# KiCad board panel.opm-inline.kicad_pcb (continued)
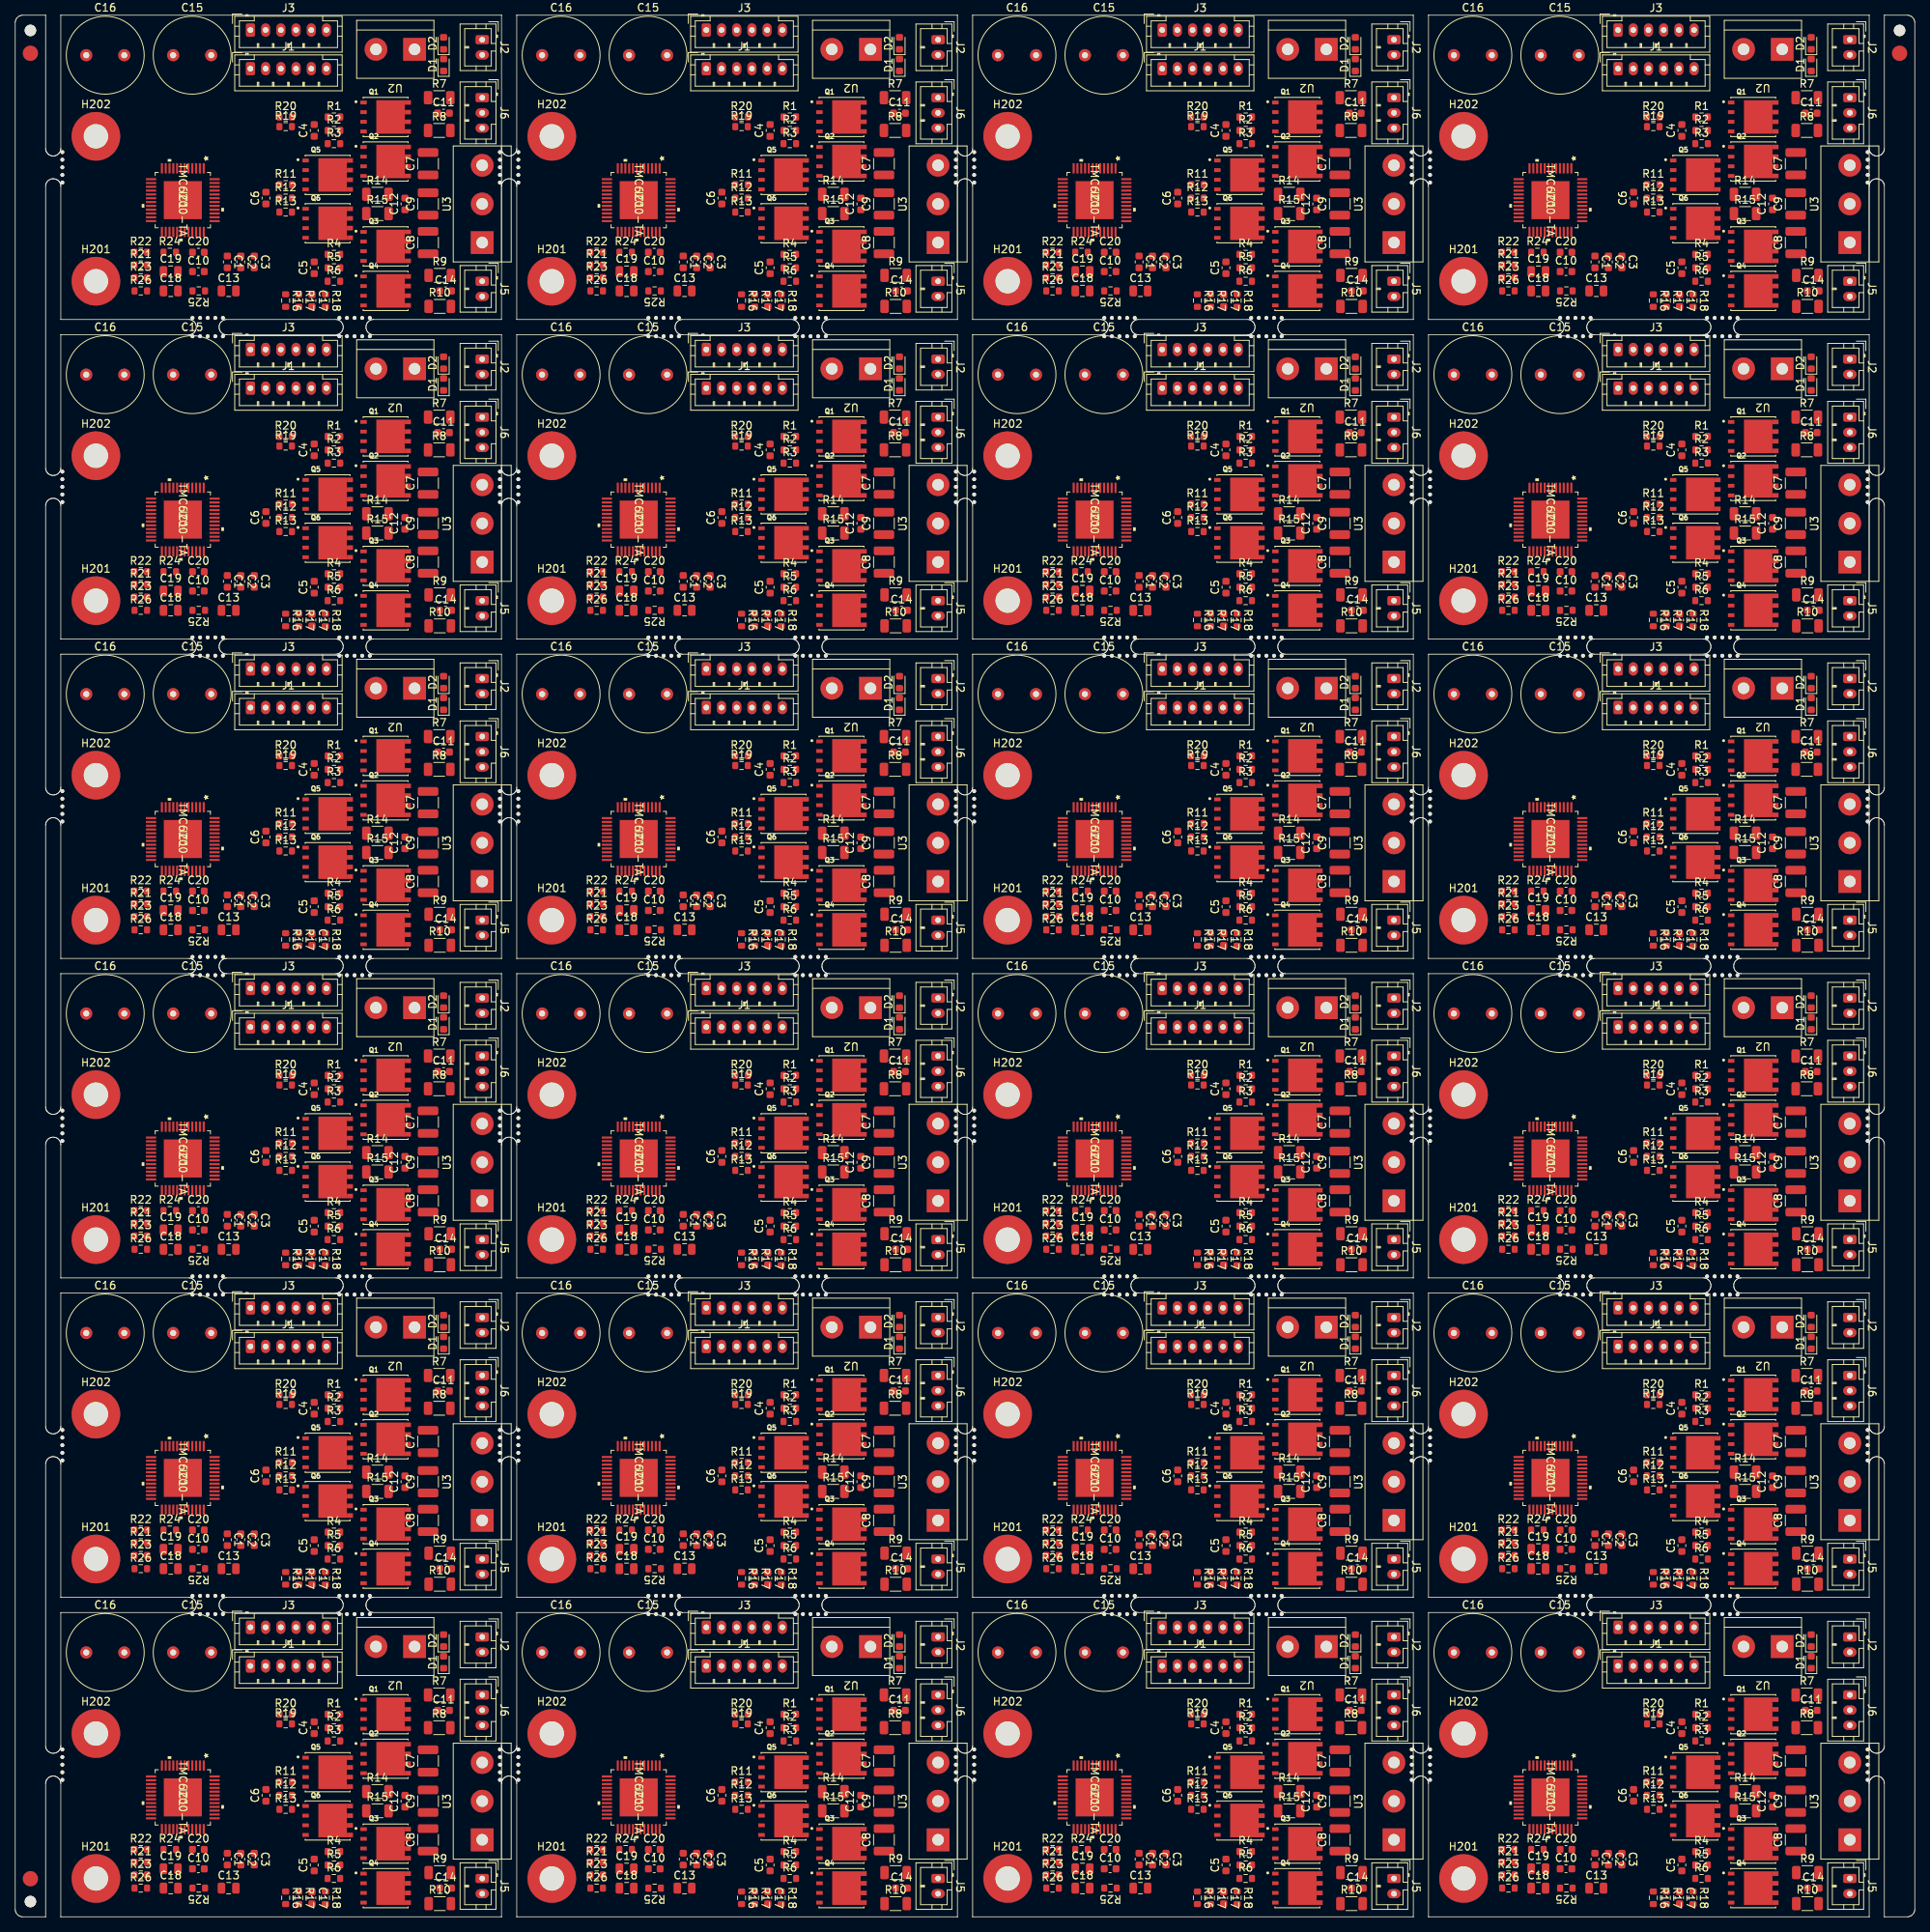
[diagram p0: board, top side]
## Placement (name value [footprint] x y rotation side) (continued)
Q3#18  HYG025N06LS1C2  [PDFN-8]  108.66 51.61 0 top
Q3#19  HYG025N06LS1C2  [PDFN-8]  168.61 51.61 0 top
Q3#20  HYG025N06LS1C2  [PDFN-8]  228.56 51.61 0 top
Q3#21  HYG025N06LS1C2  [PDFN-8]  48.71 9.62 0 top
Q3#22  HYG025N06LS1C2  [PDFN-8]  108.66 9.62 0 top
Q3#23  HYG025N06LS1C2  [PDFN-8]  168.61 9.62 0 top
Q3#24  HYG025N06LS1C2  [PDFN-8]  228.56 9.62 0 top
Q4  HYG025N06LS1C2  [PDFN-8]  48.71 213.72 0 top
Q4#2  HYG025N06LS1C2  [PDFN-8]  108.66 213.72 0 top
Q4#3  HYG025N06LS1C2  [PDFN-8]  168.61 213.72 0 top
Q4#4  HYG025N06LS1C2  [PDFN-8]  228.56 213.72 0 top
Q4#5  HYG025N06LS1C2  [PDFN-8]  48.71 171.73 0 top
Q4#6  HYG025N06LS1C2  [PDFN-8]  108.66 171.73 0 top
Q4#7  HYG025N06LS1C2  [PDFN-8]  168.61 171.73 0 top
Q4#8  HYG025N06LS1C2  [PDFN-8]  228.56 171.73 0 top
Q4#9  HYG025N06LS1C2  [PDFN-8]  48.71 129.74 0 top
Q4#10  HYG025N06LS1C2  [PDFN-8]  108.66 129.74 0 top
Q4#11  HYG025N06LS1C2  [PDFN-8]  168.61 129.74 0 top
Q4#12  HYG025N06LS1C2  [PDFN-8]  228.56 129.74 0 top
Q4#13  HYG025N06LS1C2  [PDFN-8]  48.71 87.75 0 top
Q4#14  HYG025N06LS1C2  [PDFN-8]  108.66 87.75 0 top
Q4#15  HYG025N06LS1C2  [PDFN-8]  168.61 87.75 0 top
Q4#16  HYG025N06LS1C2  [PDFN-8]  228.56 87.75 0 top
Q4#17  HYG025N06LS1C2  [PDFN-8]  48.71 45.76 0 top
Q4#18  HYG025N06LS1C2  [PDFN-8]  108.66 45.76 0 top
Q4#19  HYG025N06LS1C2  [PDFN-8]  168.61 45.76 0 top
Q4#20  HYG025N06LS1C2  [PDFN-8]  228.56 45.76 0 top
Q4#21  HYG025N06LS1C2  [PDFN-8]  48.71 3.77 0 top
Q4#22  HYG025N06LS1C2  [PDFN-8]  108.66 3.77 0 top
Q4#23  HYG025N06LS1C2  [PDFN-8]  168.61 3.77 0 top
Q4#24  HYG025N06LS1C2  [PDFN-8]  228.56 3.77 0 top
Q5  HYG025N06LS1C2  [PDFN-8]  41.09 228.96 0 top
Q5#2  HYG025N06LS1C2  [PDFN-8]  101.04 228.96 0 top
Q5#3  HYG025N06LS1C2  [PDFN-8]  160.99 228.96 0 top
Q5#4  HYG025N06LS1C2  [PDFN-8]  220.94 228.96 0 top
Q5#5  HYG025N06LS1C2  [PDFN-8]  41.09 186.97 0 top
Q5#6  HYG025N06LS1C2  [PDFN-8]  101.04 186.97 0 top
Q5#7  HYG025N06LS1C2  [PDFN-8]  160.99 186.97 0 top
Q5#8  HYG025N06LS1C2  [PDFN-8]  220.94 186.97 0 top
Q5#9  HYG025N06LS1C2  [PDFN-8]  41.09 144.98 0 top
Q5#10  HYG025N06LS1C2  [PDFN-8]  101.04 144.98 0 top
Q5#11  HYG025N06LS1C2  [PDFN-8]  160.99 144.98 0 top
Q5#12  HYG025N06LS1C2  [PDFN-8]  220.94 144.98 0 top
Q5#13  HYG025N06LS1C2  [PDFN-8]  41.09 102.99 0 top
Q5#14  HYG025N06LS1C2  [PDFN-8]  101.04 102.99 0 top
Q5#15  HYG025N06LS1C2  [PDFN-8]  160.99 102.99 0 top
Q5#16  HYG025N06LS1C2  [PDFN-8]  220.94 102.99 0 top
Q5#17  HYG025N06LS1C2  [PDFN-8]  41.09 61 0 top
Q5#18  HYG025N06LS1C2  [PDFN-8]  101.04 61 0 top
Q5#19  HYG025N06LS1C2  [PDFN-8]  160.99 61 0 top
Q5#20  HYG025N06LS1C2  [PDFN-8]  220.94 61 0 top
Q5#21  HYG025N06LS1C2  [PDFN-8]  41.09 19.01 0 top
Q5#22  HYG025N06LS1C2  [PDFN-8]  101.04 19.01 0 top
Q5#23  HYG025N06LS1C2  [PDFN-8]  160.99 19.01 0 top
Q5#24  HYG025N06LS1C2  [PDFN-8]  220.94 19.01 0 top
Q6  HYG025N06LS1C2  [PDFN-8]  41.09 222.61 0 top
Q6#2  HYG025N06LS1C2  [PDFN-8]  101.04 222.61 0 top
Q6#3  HYG025N06LS1C2  [PDFN-8]  160.99 222.61 0 top
Q6#4  HYG025N06LS1C2  [PDFN-8]  220.94 222.61 0 top
Q6#5  HYG025N06LS1C2  [PDFN-8]  41.09 180.62 0 top
Q6#6  HYG025N06LS1C2  [PDFN-8]  101.04 180.62 0 top
Q6#7  HYG025N06LS1C2  [PDFN-8]  160.99 180.62 0 top
Q6#8  HYG025N06LS1C2  [PDFN-8]  220.94 180.62 0 top
Q6#9  HYG025N06LS1C2  [PDFN-8]  41.09 138.63 0 top
Q6#10  HYG025N06LS1C2  [PDFN-8]  101.04 138.63 0 top
Q6#11  HYG025N06LS1C2  [PDFN-8]  160.99 138.63 0 top
Q6#12  HYG025N06LS1C2  [PDFN-8]  220.94 138.63 0 top
Q6#13  HYG025N06LS1C2  [PDFN-8]  41.09 96.64 0 top
Q6#14  HYG025N06LS1C2  [PDFN-8]  101.04 96.64 0 top
Q6#15  HYG025N06LS1C2  [PDFN-8]  160.99 96.64 0 top
Q6#16  HYG025N06LS1C2  [PDFN-8]  220.94 96.64 0 top
Q6#17  HYG025N06LS1C2  [PDFN-8]  41.09 54.65 0 top
Q6#18  HYG025N06LS1C2  [PDFN-8]  101.04 54.65 0 top
Q6#19  HYG025N06LS1C2  [PDFN-8]  160.99 54.65 0 top
Q6#20  HYG025N06LS1C2  [PDFN-8]  220.94 54.65 0 top
Q6#21  HYG025N06LS1C2  [PDFN-8]  41.09 12.66 0 top
Q6#22  HYG025N06LS1C2  [PDFN-8]  101.04 12.66 0 top
Q6#23  HYG025N06LS1C2  [PDFN-8]  160.99 12.66 0 top
Q6#24  HYG025N06LS1C2  [PDFN-8]  220.94 12.66 0 top
R1  22R/1%  [R_0603_1608Metric]  41.92 236.58 0 top
R1#2  22R/1%  [R_0603_1608Metric]  101.87 236.58 0 top
R1#3  22R/1%  [R_0603_1608Metric]  161.82 236.58 0 top
R1#4  22R/1%  [R_0603_1608Metric]  221.77 236.58 0 top
R1#5  22R/1%  [R_0603_1608Metric]  41.92 194.59 0 top
R1#6  22R/1%  [R_0603_1608Metric]  101.87 194.59 0 top
R1#7  22R/1%  [R_0603_1608Metric]  161.82 194.59 0 top
R1#8  22R/1%  [R_0603_1608Metric]  221.77 194.59 0 top
R1#9  22R/1%  [R_0603_1608Metric]  41.92 152.6 0 top
R1#10  22R/1%  [R_0603_1608Metric]  101.87 152.6 0 top
R1#11  22R/1%  [R_0603_1608Metric]  161.82 152.6 0 top
R1#12  22R/1%  [R_0603_1608Metric]  221.77 152.6 0 top
R1#13  22R/1%  [R_0603_1608Metric]  41.92 110.61 0 top
R1#14  22R/1%  [R_0603_1608Metric]  101.87 110.61 0 top
R1#15  22R/1%  [R_0603_1608Metric]  161.82 110.61 0 top
R1#16  22R/1%  [R_0603_1608Metric]  221.77 110.61 0 top
R1#17  22R/1%  [R_0603_1608Metric]  41.92 68.62 0 top
R1#18  22R/1%  [R_0603_1608Metric]  101.87 68.62 0 top
R1#19  22R/1%  [R_0603_1608Metric]  161.82 68.62 0 top
R1#20  22R/1%  [R_0603_1608Metric]  221.77 68.62 0 top
R1#21  22R/1%  [R_0603_1608Metric]  41.92 26.63 0 top
R1#22  22R/1%  [R_0603_1608Metric]  101.87 26.63 0 top
R1#23  22R/1%  [R_0603_1608Metric]  161.82 26.63 0 top
R1#24  22R/1%  [R_0603_1608Metric]  221.77 26.63 0 top
R2  10R/1%  [R_0603_1608Metric]  41.92 234.81 0 top
R2#2  10R/1%  [R_0603_1608Metric]  101.87 234.81 0 top
R2#3  10R/1%  [R_0603_1608Metric]  161.82 234.81 0 top
R2#4  10R/1%  [R_0603_1608Metric]  221.77 234.81 0 top
R2#5  10R/1%  [R_0603_1608Metric]  41.92 192.82 0 top
R2#6  10R/1%  [R_0603_1608Metric]  101.87 192.82 0 top
R2#7  10R/1%  [R_0603_1608Metric]  161.82 192.82 0 top
R2#8  10R/1%  [R_0603_1608Metric]  221.77 192.82 0 top
R2#9  10R/1%  [R_0603_1608Metric]  41.92 150.83 0 top
R2#10  10R/1%  [R_0603_1608Metric]  101.87 150.83 0 top
R2#11  10R/1%  [R_0603_1608Metric]  161.82 150.83 0 top
R2#12  10R/1%  [R_0603_1608Metric]  221.77 150.83 0 top
R2#13  10R/1%  [R_0603_1608Metric]  41.92 108.84 0 top
R2#14  10R/1%  [R_0603_1608Metric]  101.87 108.84 0 top
R2#15  10R/1%  [R_0603_1608Metric]  161.82 108.84 0 top
R2#16  10R/1%  [R_0603_1608Metric]  221.77 108.84 0 top
R2#17  10R/1%  [R_0603_1608Metric]  41.92 66.85 0 top
R2#18  10R/1%  [R_0603_1608Metric]  101.87 66.85 0 top
R2#19  10R/1%  [R_0603_1608Metric]  161.82 66.85 0 top
R2#20  10R/1%  [R_0603_1608Metric]  221.77 66.85 0 top
R2#21  10R/1%  [R_0603_1608Metric]  41.92 24.86 0 top
R2#22  10R/1%  [R_0603_1608Metric]  101.87 24.86 0 top
R2#23  10R/1%  [R_0603_1608Metric]  161.82 24.86 0 top
R2#24  10R/1%  [R_0603_1608Metric]  221.77 24.86 0 top
R3  22R/1%  [R_0603_1608Metric]  41.92 233.07 0 top
R3#2  22R/1%  [R_0603_1608Metric]  101.87 233.07 0 top
R3#3  22R/1%  [R_0603_1608Metric]  161.82 233.07 0 top
R3#4  22R/1%  [R_0603_1608Metric]  221.77 233.07 0 top
R3#5  22R/1%  [R_0603_1608Metric]  41.92 191.08 0 top
R3#6  22R/1%  [R_0603_1608Metric]  101.87 191.08 0 top
R3#7  22R/1%  [R_0603_1608Metric]  161.82 191.08 0 top
R3#8  22R/1%  [R_0603_1608Metric]  221.77 191.08 0 top
R3#9  22R/1%  [R_0603_1608Metric]  41.92 149.09 0 top
R3#10  22R/1%  [R_0603_1608Metric]  101.87 149.09 0 top
R3#11  22R/1%  [R_0603_1608Metric]  161.82 149.09 0 top
R3#12  22R/1%  [R_0603_1608Metric]  221.77 149.09 0 top
R3#13  22R/1%  [R_0603_1608Metric]  41.92 107.1 0 top
R3#14  22R/1%  [R_0603_1608Metric]  101.87 107.1 0 top
R3#15  22R/1%  [R_0603_1608Metric]  161.82 107.1 0 top
R3#16  22R/1%  [R_0603_1608Metric]  221.77 107.1 0 top
R3#17  22R/1%  [R_0603_1608Metric]  41.92 65.11 0 top
R3#18  22R/1%  [R_0603_1608Metric]  101.87 65.11 0 top
R3#19  22R/1%  [R_0603_1608Metric]  161.82 65.11 0 top
R3#20  22R/1%  [R_0603_1608Metric]  221.77 65.11 0 top
R3#21  22R/1%  [R_0603_1608Metric]  41.92 23.12 0 top
R3#22  22R/1%  [R_0603_1608Metric]  101.87 23.12 0 top
R3#23  22R/1%  [R_0603_1608Metric]  161.82 23.12 0 top
R3#24  22R/1%  [R_0603_1608Metric]  221.77 23.12 0 top
R4  22R/1%  [R_0603_1608Metric]  41.91 218.53 0 top
R4#2  22R/1%  [R_0603_1608Metric]  101.86 218.53 0 top
R4#3  22R/1%  [R_0603_1608Metric]  161.81 218.53 0 top
R4#4  22R/1%  [R_0603_1608Metric]  221.76 218.53 0 top
R4#5  22R/1%  [R_0603_1608Metric]  41.91 176.54 0 top
R4#6  22R/1%  [R_0603_1608Metric]  101.86 176.54 0 top
R4#7  22R/1%  [R_0603_1608Metric]  161.81 176.54 0 top
R4#8  22R/1%  [R_0603_1608Metric]  221.76 176.54 0 top
R4#9  22R/1%  [R_0603_1608Metric]  41.91 134.55 0 top
R4#10  22R/1%  [R_0603_1608Metric]  101.86 134.55 0 top
R4#11  22R/1%  [R_0603_1608Metric]  161.81 134.55 0 top
R4#12  22R/1%  [R_0603_1608Metric]  221.76 134.55 0 top
R4#13  22R/1%  [R_0603_1608Metric]  41.91 92.56 0 top
R4#14  22R/1%  [R_0603_1608Metric]  101.86 92.56 0 top
R4#15  22R/1%  [R_0603_1608Metric]  161.81 92.56 0 top
R4#16  22R/1%  [R_0603_1608Metric]  221.76 92.56 0 top
R4#17  22R/1%  [R_0603_1608Metric]  41.91 50.57 0 top
R4#18  22R/1%  [R_0603_1608Metric]  101.86 50.57 0 top
R4#19  22R/1%  [R_0603_1608Metric]  161.81 50.57 0 top
R4#20  22R/1%  [R_0603_1608Metric]  221.76 50.57 0 top
R4#21  22R/1%  [R_0603_1608Metric]  41.91 8.58 0 top
R4#22  22R/1%  [R_0603_1608Metric]  101.86 8.58 0 top
R4#23  22R/1%  [R_0603_1608Metric]  161.81 8.58 0 top
R4#24  22R/1%  [R_0603_1608Metric]  221.76 8.58 0 top
R5  10R/1%  [R_0603_1608Metric]  41.92 216.76 0 top
R5#2  10R/1%  [R_0603_1608Metric]  101.87 216.76 0 top
R5#3  10R/1%  [R_0603_1608Metric]  161.82 216.76 0 top
R5#4  10R/1%  [R_0603_1608Metric]  221.77 216.76 0 top
R5#5  10R/1%  [R_0603_1608Metric]  41.92 174.77 0 top
R5#6  10R/1%  [R_0603_1608Metric]  101.87 174.77 0 top
R5#7  10R/1%  [R_0603_1608Metric]  161.82 174.77 0 top
R5#8  10R/1%  [R_0603_1608Metric]  221.77 174.77 0 top
R5#9  10R/1%  [R_0603_1608Metric]  41.92 132.78 0 top
R5#10  10R/1%  [R_0603_1608Metric]  101.87 132.78 0 top
R5#11  10R/1%  [R_0603_1608Metric]  161.82 132.78 0 top
R5#12  10R/1%  [R_0603_1608Metric]  221.77 132.78 0 top
R5#13  10R/1%  [R_0603_1608Metric]  41.92 90.79 0 top
R5#14  10R/1%  [R_0603_1608Metric]  101.87 90.79 0 top
R5#15  10R/1%  [R_0603_1608Metric]  161.82 90.79 0 top
R5#16  10R/1%  [R_0603_1608Metric]  221.77 90.79 0 top
R5#17  10R/1%  [R_0603_1608Metric]  41.92 48.8 0 top
R5#18  10R/1%  [R_0603_1608Metric]  101.87 48.8 0 top
R5#19  10R/1%  [R_0603_1608Metric]  161.82 48.8 0 top
R5#20  10R/1%  [R_0603_1608Metric]  221.77 48.8 0 top
R5#21  10R/1%  [R_0603_1608Metric]  41.92 6.81 0 top
R5#22  10R/1%  [R_0603_1608Metric]  101.87 6.81 0 top
R5#23  10R/1%  [R_0603_1608Metric]  161.82 6.81 0 top
R5#24  10R/1%  [R_0603_1608Metric]  221.77 6.81 0 top
R6  22R/1%  [R_0603_1608Metric]  41.91 214.99 0 top
R6#2  22R/1%  [R_0603_1608Metric]  101.86 214.99 0 top
R6#3  22R/1%  [R_0603_1608Metric]  161.81 214.99 0 top
R6#4  22R/1%  [R_0603_1608Metric]  221.76 214.99 0 top
R6#5  22R/1%  [R_0603_1608Metric]  41.91 173 0 top
R6#6  22R/1%  [R_0603_1608Metric]  101.86 173 0 top
R6#7  22R/1%  [R_0603_1608Metric]  161.81 173 0 top
R6#8  22R/1%  [R_0603_1608Metric]  221.76 173 0 top
R6#9  22R/1%  [R_0603_1608Metric]  41.91 131.01 0 top
R6#10  22R/1%  [R_0603_1608Metric]  101.86 131.01 0 top
R6#11  22R/1%  [R_0603_1608Metric]  161.81 131.01 0 top
R6#12  22R/1%  [R_0603_1608Metric]  221.76 131.01 0 top
R6#13  22R/1%  [R_0603_1608Metric]  41.91 89.02 0 top
R6#14  22R/1%  [R_0603_1608Metric]  101.86 89.02 0 top
R6#15  22R/1%  [R_0603_1608Metric]  161.81 89.02 0 top
R6#16  22R/1%  [R_0603_1608Metric]  221.76 89.02 0 top
R6#17  22R/1%  [R_0603_1608Metric]  41.91 47.03 0 top
R6#18  22R/1%  [R_0603_1608Metric]  101.86 47.03 0 top
R6#19  22R/1%  [R_0603_1608Metric]  161.81 47.03 0 top
R6#20  22R/1%  [R_0603_1608Metric]  221.76 47.03 0 top
R6#21  22R/1%  [R_0603_1608Metric]  41.91 5.04 0 top
R6#22  22R/1%  [R_0603_1608Metric]  101.86 5.04 0 top
R6#23  22R/1%  [R_0603_1608Metric]  161.81 5.04 0 top
R6#24  22R/1%  [R_0603_1608Metric]  221.76 5.04 0 top
R7  0R005/1%/1W  [R_1206_3216Metric]  55.75 239.12 0 top
R7#2  0R005/1%/1W  [R_1206_3216Metric]  115.7 239.12 0 top
R7#3  0R005/1%/1W  [R_1206_3216Metric]  175.65 239.12 0 top
R7#4  0R005/1%/1W  [R_1206_3216Metric]  235.6 239.12 0 top
R7#5  0R005/1%/1W  [R_1206_3216Metric]  55.75 197.13 0 top
R7#6  0R005/1%/1W  [R_1206_3216Metric]  115.7 197.13 0 top
R7#7  0R005/1%/1W  [R_1206_3216Metric]  175.65 197.13 0 top
R7#8  0R005/1%/1W  [R_1206_3216Metric]  235.6 197.13 0 top
R7#9  0R005/1%/1W  [R_1206_3216Metric]  55.75 155.14 0 top
R7#10  0R005/1%/1W  [R_1206_3216Metric]  115.7 155.14 0 top
R7#11  0R005/1%/1W  [R_1206_3216Metric]  175.65 155.14 0 top
R7#12  0R005/1%/1W  [R_1206_3216Metric]  235.6 155.14 0 top
R7#13  0R005/1%/1W  [R_1206_3216Metric]  55.75 113.15 0 top
R7#14  0R005/1%/1W  [R_1206_3216Metric]  115.7 113.15 0 top
R7#15  0R005/1%/1W  [R_1206_3216Metric]  175.65 113.15 0 top
R7#16  0R005/1%/1W  [R_1206_3216Metric]  235.6 113.15 0 top
R7#17  0R005/1%/1W  [R_1206_3216Metric]  55.75 71.16 0 top
R7#18  0R005/1%/1W  [R_1206_3216Metric]  115.7 71.16 0 top
R7#19  0R005/1%/1W  [R_1206_3216Metric]  175.65 71.16 0 top
R7#20  0R005/1%/1W  [R_1206_3216Metric]  235.6 71.16 0 top
R7#21  0R005/1%/1W  [R_1206_3216Metric]  55.75 29.17 0 top
R7#22  0R005/1%/1W  [R_1206_3216Metric]  115.7 29.17 0 top
R7#23  0R005/1%/1W  [R_1206_3216Metric]  175.65 29.17 0 top
R7#24  0R005/1%/1W  [R_1206_3216Metric]  235.6 29.17 0 top
R8  0R005/1%/1W  [R_1206_3216Metric]  55.75 234.81 0 top
R8#2  0R005/1%/1W  [R_1206_3216Metric]  115.7 234.81 0 top
R8#3  0R005/1%/1W  [R_1206_3216Metric]  175.65 234.81 0 top
R8#4  0R005/1%/1W  [R_1206_3216Metric]  235.6 234.81 0 top
R8#5  0R005/1%/1W  [R_1206_3216Metric]  55.75 192.82 0 top
R8#6  0R005/1%/1W  [R_1206_3216Metric]  115.7 192.82 0 top
R8#7  0R005/1%/1W  [R_1206_3216Metric]  175.65 192.82 0 top
R8#8  0R005/1%/1W  [R_1206_3216Metric]  235.6 192.82 0 top
R8#9  0R005/1%/1W  [R_1206_3216Metric]  55.75 150.83 0 top
R8#10  0R005/1%/1W  [R_1206_3216Metric]  115.7 150.83 0 top
R8#11  0R005/1%/1W  [R_1206_3216Metric]  175.65 150.83 0 top
R8#12  0R005/1%/1W  [R_1206_3216Metric]  235.6 150.83 0 top
R8#13  0R005/1%/1W  [R_1206_3216Metric]  55.75 108.84 0 top
R8#14  0R005/1%/1W  [R_1206_3216Metric]  115.7 108.84 0 top
R8#15  0R005/1%/1W  [R_1206_3216Metric]  175.65 108.84 0 top
R8#16  0R005/1%/1W  [R_1206_3216Metric]  235.6 108.84 0 top
R8#17  0R005/1%/1W  [R_1206_3216Metric]  55.75 66.85 0 top
R8#18  0R005/1%/1W  [R_1206_3216Metric]  115.7 66.85 0 top
R8#19  0R005/1%/1W  [R_1206_3216Metric]  175.65 66.85 0 top
R8#20  0R005/1%/1W  [R_1206_3216Metric]  235.6 66.85 0 top
R8#21  0R005/1%/1W  [R_1206_3216Metric]  55.75 24.86 0 top
R8#22  0R005/1%/1W  [R_1206_3216Metric]  115.7 24.86 0 top
R8#23  0R005/1%/1W  [R_1206_3216Metric]  175.65 24.86 0 top
R8#24  0R005/1%/1W  [R_1206_3216Metric]  235.6 24.86 0 top
R9  0R005/1%/1W  [R_1206_3216Metric]  55.83 215.76 0 top
R9#2  0R005/1%/1W  [R_1206_3216Metric]  115.78 215.76 0 top
R9#3  0R005/1%/1W  [R_1206_3216Metric]  175.73 215.76 0 top
R9#4  0R005/1%/1W  [R_1206_3216Metric]  235.68 215.76 0 top
R9#5  0R005/1%/1W  [R_1206_3216Metric]  55.83 173.77 0 top
R9#6  0R005/1%/1W  [R_1206_3216Metric]  115.78 173.77 0 top
R9#7  0R005/1%/1W  [R_1206_3216Metric]  175.73 173.77 0 top
R9#8  0R005/1%/1W  [R_1206_3216Metric]  235.68 173.77 0 top
R9#9  0R005/1%/1W  [R_1206_3216Metric]  55.83 131.78 0 top
R9#10  0R005/1%/1W  [R_1206_3216Metric]  115.78 131.78 0 top
R9#11  0R005/1%/1W  [R_1206_3216Metric]  175.73 131.78 0 top
R9#12  0R005/1%/1W  [R_1206_3216Metric]  235.68 131.78 0 top
R9#13  0R005/1%/1W  [R_1206_3216Metric]  55.83 89.79 0 top
R9#14  0R005/1%/1W  [R_1206_3216Metric]  115.78 89.79 0 top
R9#15  0R005/1%/1W  [R_1206_3216Metric]  175.73 89.79 0 top
R9#16  0R005/1%/1W  [R_1206_3216Metric]  235.68 89.79 0 top
R9#17  0R005/1%/1W  [R_1206_3216Metric]  55.83 47.8 0 top
R9#18  0R005/1%/1W  [R_1206_3216Metric]  115.78 47.8 0 top
R9#19  0R005/1%/1W  [R_1206_3216Metric]  175.73 47.8 0 top
R9#20  0R005/1%/1W  [R_1206_3216Metric]  235.68 47.8 0 top
R9#21  0R005/1%/1W  [R_1206_3216Metric]  55.83 5.81 0 top
R9#22  0R005/1%/1W  [R_1206_3216Metric]  115.78 5.81 0 top
R9#23  0R005/1%/1W  [R_1206_3216Metric]  175.73 5.81 0 top
R9#24  0R005/1%/1W  [R_1206_3216Metric]  235.68 5.81 0 top
R10  0R005/1%/1W  [R_1206_3216Metric]  55.83 211.68 0 top
R10#2  0R005/1%/1W  [R_1206_3216Metric]  115.78 211.68 0 top
R10#3  0R005/1%/1W  [R_1206_3216Metric]  175.73 211.68 0 top
R10#4  0R005/1%/1W  [R_1206_3216Metric]  235.68 211.68 0 top
R10#5  0R005/1%/1W  [R_1206_3216Metric]  55.83 169.69 0 top
R10#6  0R005/1%/1W  [R_1206_3216Metric]  115.78 169.69 0 top
R10#7  0R005/1%/1W  [R_1206_3216Metric]  175.73 169.69 0 top
R10#8  0R005/1%/1W  [R_1206_3216Metric]  235.68 169.69 0 top
R10#9  0R005/1%/1W  [R_1206_3216Metric]  55.83 127.7 0 top
R10#10  0R005/1%/1W  [R_1206_3216Metric]  115.78 127.7 0 top
R10#11  0R005/1%/1W  [R_1206_3216Metric]  175.73 127.7 0 top
R10#12  0R005/1%/1W  [R_1206_3216Metric]  235.68 127.7 0 top
R10#13  0R005/1%/1W  [R_1206_3216Metric]  55.83 85.71 0 top
R10#14  0R005/1%/1W  [R_1206_3216Metric]  115.78 85.71 0 top
R10#15  0R005/1%/1W  [R_1206_3216Metric]  175.73 85.71 0 top
R10#16  0R005/1%/1W  [R_1206_3216Metric]  235.68 85.71 0 top
R10#17  0R005/1%/1W  [R_1206_3216Metric]  55.83 43.72 0 top
R10#18  0R005/1%/1W  [R_1206_3216Metric]  115.78 43.72 0 top
R10#19  0R005/1%/1W  [R_1206_3216Metric]  175.73 43.72 0 top
R10#20  0R005/1%/1W  [R_1206_3216Metric]  235.68 43.72 0 top
R10#21  0R005/1%/1W  [R_1206_3216Metric]  55.83 1.73 0 top
R10#22  0R005/1%/1W  [R_1206_3216Metric]  115.78 1.73 0 top
R10#23  0R005/1%/1W  [R_1206_3216Metric]  175.73 1.73 0 top
R10#24  0R005/1%/1W  [R_1206_3216Metric]  235.68 1.73 0 top
R11  22R/1%  [R_0603_1608Metric]  35.57 227.69 0 top
R11#2  22R/1%  [R_0603_1608Metric]  95.52 227.69 0 top
R11#3  22R/1%  [R_0603_1608Metric]  155.47 227.69 0 top
R11#4  22R/1%  [R_0603_1608Metric]  215.42 227.69 0 top
R11#5  22R/1%  [R_0603_1608Metric]  35.57 185.7 0 top
R11#6  22R/1%  [R_0603_1608Metric]  95.52 185.7 0 top
R11#7  22R/1%  [R_0603_1608Metric]  155.47 185.7 0 top
R11#8  22R/1%  [R_0603_1608Metric]  215.42 185.7 0 top
R11#9  22R/1%  [R_0603_1608Metric]  35.57 143.71 0 top
R11#10  22R/1%  [R_0603_1608Metric]  95.52 143.71 0 top
R11#11  22R/1%  [R_0603_1608Metric]  155.47 143.71 0 top
R11#12  22R/1%  [R_0603_1608Metric]  215.42 143.71 0 top
R11#13  22R/1%  [R_0603_1608Metric]  35.57 101.72 0 top
R11#14  22R/1%  [R_0603_1608Metric]  95.52 101.72 0 top
R11#15  22R/1%  [R_0603_1608Metric]  155.47 101.72 0 top
R11#16  22R/1%  [R_0603_1608Metric]  215.42 101.72 0 top
R11#17  22R/1%  [R_0603_1608Metric]  35.57 59.73 0 top
R11#18  22R/1%  [R_0603_1608Metric]  95.52 59.73 0 top
R11#19  22R/1%  [R_0603_1608Metric]  155.47 59.73 0 top
R11#20  22R/1%  [R_0603_1608Metric]  215.42 59.73 0 top
R11#21  22R/1%  [R_0603_1608Metric]  35.57 17.74 0 top
R11#22  22R/1%  [R_0603_1608Metric]  95.52 17.74 0 top
R11#23  22R/1%  [R_0603_1608Metric]  155.47 17.74 0 top
R11#24  22R/1%  [R_0603_1608Metric]  215.42 17.74 0 top
R12  10R/1%  [R_0603_1608Metric]  35.56 225.92 0 top
R12#2  10R/1%  [R_0603_1608Metric]  95.51 225.92 0 top
R12#3  10R/1%  [R_0603_1608Metric]  155.46 225.92 0 top
R12#4  10R/1%  [R_0603_1608Metric]  215.41 225.92 0 top
R12#5  10R/1%  [R_0603_1608Metric]  35.56 183.93 0 top
R12#6  10R/1%  [R_0603_1608Metric]  95.51 183.93 0 top
R12#7  10R/1%  [R_0603_1608Metric]  155.46 183.93 0 top
R12#8  10R/1%  [R_0603_1608Metric]  215.41 183.93 0 top
R12#9  10R/1%  [R_0603_1608Metric]  35.56 141.94 0 top
R12#10  10R/1%  [R_0603_1608Metric]  95.51 141.94 0 top
R12#11  10R/1%  [R_0603_1608Metric]  155.46 141.94 0 top
R12#12  10R/1%  [R_0603_1608Metric]  215.41 141.94 0 top
R12#13  10R/1%  [R_0603_1608Metric]  35.56 99.95 0 top
R12#14  10R/1%  [R_0603_1608Metric]  95.51 99.95 0 top
R12#15  10R/1%  [R_0603_1608Metric]  155.46 99.95 0 top
R12#16  10R/1%  [R_0603_1608Metric]  215.41 99.95 0 top
R12#17  10R/1%  [R_0603_1608Metric]  35.56 57.96 0 top
R12#18  10R/1%  [R_0603_1608Metric]  95.51 57.96 0 top
R12#19  10R/1%  [R_0603_1608Metric]  155.46 57.96 0 top
R12#20  10R/1%  [R_0603_1608Metric]  215.41 57.96 0 top
R12#21  10R/1%  [R_0603_1608Metric]  35.56 15.97 0 top
R12#22  10R/1%  [R_0603_1608Metric]  95.51 15.97 0 top
R12#23  10R/1%  [R_0603_1608Metric]  155.46 15.97 0 top
R12#24  10R/1%  [R_0603_1608Metric]  215.41 15.97 0 top
R13  22R/1%  [R_0603_1608Metric]  35.57 224.08 0 top
R13#2  22R/1%  [R_0603_1608Metric]  95.52 224.08 0 top
R13#3  22R/1%  [R_0603_1608Metric]  155.47 224.08 0 top
R13#4  22R/1%  [R_0603_1608Metric]  215.42 224.08 0 top
R13#5  22R/1%  [R_0603_1608Metric]  35.57 182.09 0 top
R13#6  22R/1%  [R_0603_1608Metric]  95.52 182.09 0 top
R13#7  22R/1%  [R_0603_1608Metric]  155.47 182.09 0 top
R13#8  22R/1%  [R_0603_1608Metric]  215.42 182.09 0 top
R13#9  22R/1%  [R_0603_1608Metric]  35.57 140.1 0 top
R13#10  22R/1%  [R_0603_1608Metric]  95.52 140.1 0 top
R13#11  22R/1%  [R_0603_1608Metric]  155.47 140.1 0 top
R13#12  22R/1%  [R_0603_1608Metric]  215.42 140.1 0 top
R13#13  22R/1%  [R_0603_1608Metric]  35.57 98.11 0 top
R13#14  22R/1%  [R_0603_1608Metric]  95.52 98.11 0 top
R13#15  22R/1%  [R_0603_1608Metric]  155.47 98.11 0 top
R13#16  22R/1%  [R_0603_1608Metric]  215.42 98.11 0 top
R13#17  22R/1%  [R_0603_1608Metric]  35.57 56.12 0 top
R13#18  22R/1%  [R_0603_1608Metric]  95.52 56.12 0 top
R13#19  22R/1%  [R_0603_1608Metric]  155.47 56.12 0 top
R13#20  22R/1%  [R_0603_1608Metric]  215.42 56.12 0 top
R13#21  22R/1%  [R_0603_1608Metric]  35.57 14.13 0 top
R13#22  22R/1%  [R_0603_1608Metric]  95.52 14.13 0 top
R13#23  22R/1%  [R_0603_1608Metric]  155.47 14.13 0 top
R13#24  22R/1%  [R_0603_1608Metric]  215.42 14.13 0 top
R14  0R005/1%/1W  [R_1206_3216Metric]  47.63 226.42 0 top
R14#2  0R005/1%/1W  [R_1206_3216Metric]  107.58 226.42 0 top
R14#3  0R005/1%/1W  [R_1206_3216Metric]  167.53 226.42 0 top
R14#4  0R005/1%/1W  [R_1206_3216Metric]  227.48 226.42 0 top
R14#5  0R005/1%/1W  [R_1206_3216Metric]  47.63 184.43 0 top
R14#6  0R005/1%/1W  [R_1206_3216Metric]  107.58 184.43 0 top
R14#7  0R005/1%/1W  [R_1206_3216Metric]  167.53 184.43 0 top
R14#8  0R005/1%/1W  [R_1206_3216Metric]  227.48 184.43 0 top
R14#9  0R005/1%/1W  [R_1206_3216Metric]  47.63 142.44 0 top
R14#10  0R005/1%/1W  [R_1206_3216Metric]  107.58 142.44 0 top
R14#11  0R005/1%/1W  [R_1206_3216Metric]  167.53 142.44 0 top
R14#12  0R005/1%/1W  [R_1206_3216Metric]  227.48 142.44 0 top
R14#13  0R005/1%/1W  [R_1206_3216Metric]  47.63 100.45 0 top
R14#14  0R005/1%/1W  [R_1206_3216Metric]  107.58 100.45 0 top
R14#15  0R005/1%/1W  [R_1206_3216Metric]  167.53 100.45 0 top
R14#16  0R005/1%/1W  [R_1206_3216Metric]  227.48 100.45 0 top
R14#17  0R005/1%/1W  [R_1206_3216Metric]  47.63 58.46 0 top
R14#18  0R005/1%/1W  [R_1206_3216Metric]  107.58 58.46 0 top
R14#19  0R005/1%/1W  [R_1206_3216Metric]  167.53 58.46 0 top
R14#20  0R005/1%/1W  [R_1206_3216Metric]  227.48 58.46 0 top
R14#21  0R005/1%/1W  [R_1206_3216Metric]  47.63 16.47 0 top
R14#22  0R005/1%/1W  [R_1206_3216Metric]  107.58 16.47 0 top
R14#23  0R005/1%/1W  [R_1206_3216Metric]  167.53 16.47 0 top
R14#24  0R005/1%/1W  [R_1206_3216Metric]  227.48 16.47 0 top
R15  0R005/1%/1W  [R_1206_3216Metric]  47.63 223.88 0 top
R15#2  0R005/1%/1W  [R_1206_3216Metric]  107.58 223.88 0 top
R15#3  0R005/1%/1W  [R_1206_3216Metric]  167.53 223.88 0 top
R15#4  0R005/1%/1W  [R_1206_3216Metric]  227.48 223.88 0 top
R15#5  0R005/1%/1W  [R_1206_3216Metric]  47.63 181.89 0 top
R15#6  0R005/1%/1W  [R_1206_3216Metric]  107.58 181.89 0 top
R15#7  0R005/1%/1W  [R_1206_3216Metric]  167.53 181.89 0 top
R15#8  0R005/1%/1W  [R_1206_3216Metric]  227.48 181.89 0 top
R15#9  0R005/1%/1W  [R_1206_3216Metric]  47.63 139.9 0 top
R15#10  0R005/1%/1W  [R_1206_3216Metric]  107.58 139.9 0 top
R15#11  0R005/1%/1W  [R_1206_3216Metric]  167.53 139.9 0 top
R15#12  0R005/1%/1W  [R_1206_3216Metric]  227.48 139.9 0 top
R15#13  0R005/1%/1W  [R_1206_3216Metric]  47.63 97.91 0 top
R15#14  0R005/1%/1W  [R_1206_3216Metric]  107.58 97.91 0 top
R15#15  0R005/1%/1W  [R_1206_3216Metric]  167.53 97.91 0 top
R15#16  0R005/1%/1W  [R_1206_3216Metric]  227.48 97.91 0 top
R15#17  0R005/1%/1W  [R_1206_3216Metric]  47.63 55.92 0 top
R15#18  0R005/1%/1W  [R_1206_3216Metric]  107.58 55.92 0 top
R15#19  0R005/1%/1W  [R_1206_3216Metric]  167.53 55.92 0 top
R15#20  0R005/1%/1W  [R_1206_3216Metric]  227.48 55.92 0 top
R15#21  0R005/1%/1W  [R_1206_3216Metric]  47.63 13.93 0 top
R15#22  0R005/1%/1W  [R_1206_3216Metric]  107.58 13.93 0 top
R15#23  0R005/1%/1W  [R_1206_3216Metric]  167.53 13.93 0 top
R15#24  0R005/1%/1W  [R_1206_3216Metric]  227.48 13.93 0 top
R16  10000R/1%  [R_0603_1608Metric]  35.57 212.45 270 top
R16#2  10000R/1%  [R_0603_1608Metric]  95.52 212.45 270 top
R16#3  10000R/1%  [R_0603_1608Metric]  155.47 212.45 270 top
R16#4  10000R/1%  [R_0603_1608Metric]  215.42 212.45 270 top
R16#5  10000R/1%  [R_0603_1608Metric]  35.57 170.46 270 top